# Altium PCB 11BRANMB10H3_20171027.pcbdoc (part 5 of 7)
Units mm, origin at the board's own origin, x right, y up, seen from the top; angles counter-clockwise.
Board outline 91.65 x 48.25 mm, 6 copper layers (TOP, GND1, Singal, POWER, GND2, BOTTOM), stack 0.8 mm thick; 370 components, 289 nets, 1421 pads, 963 vias.
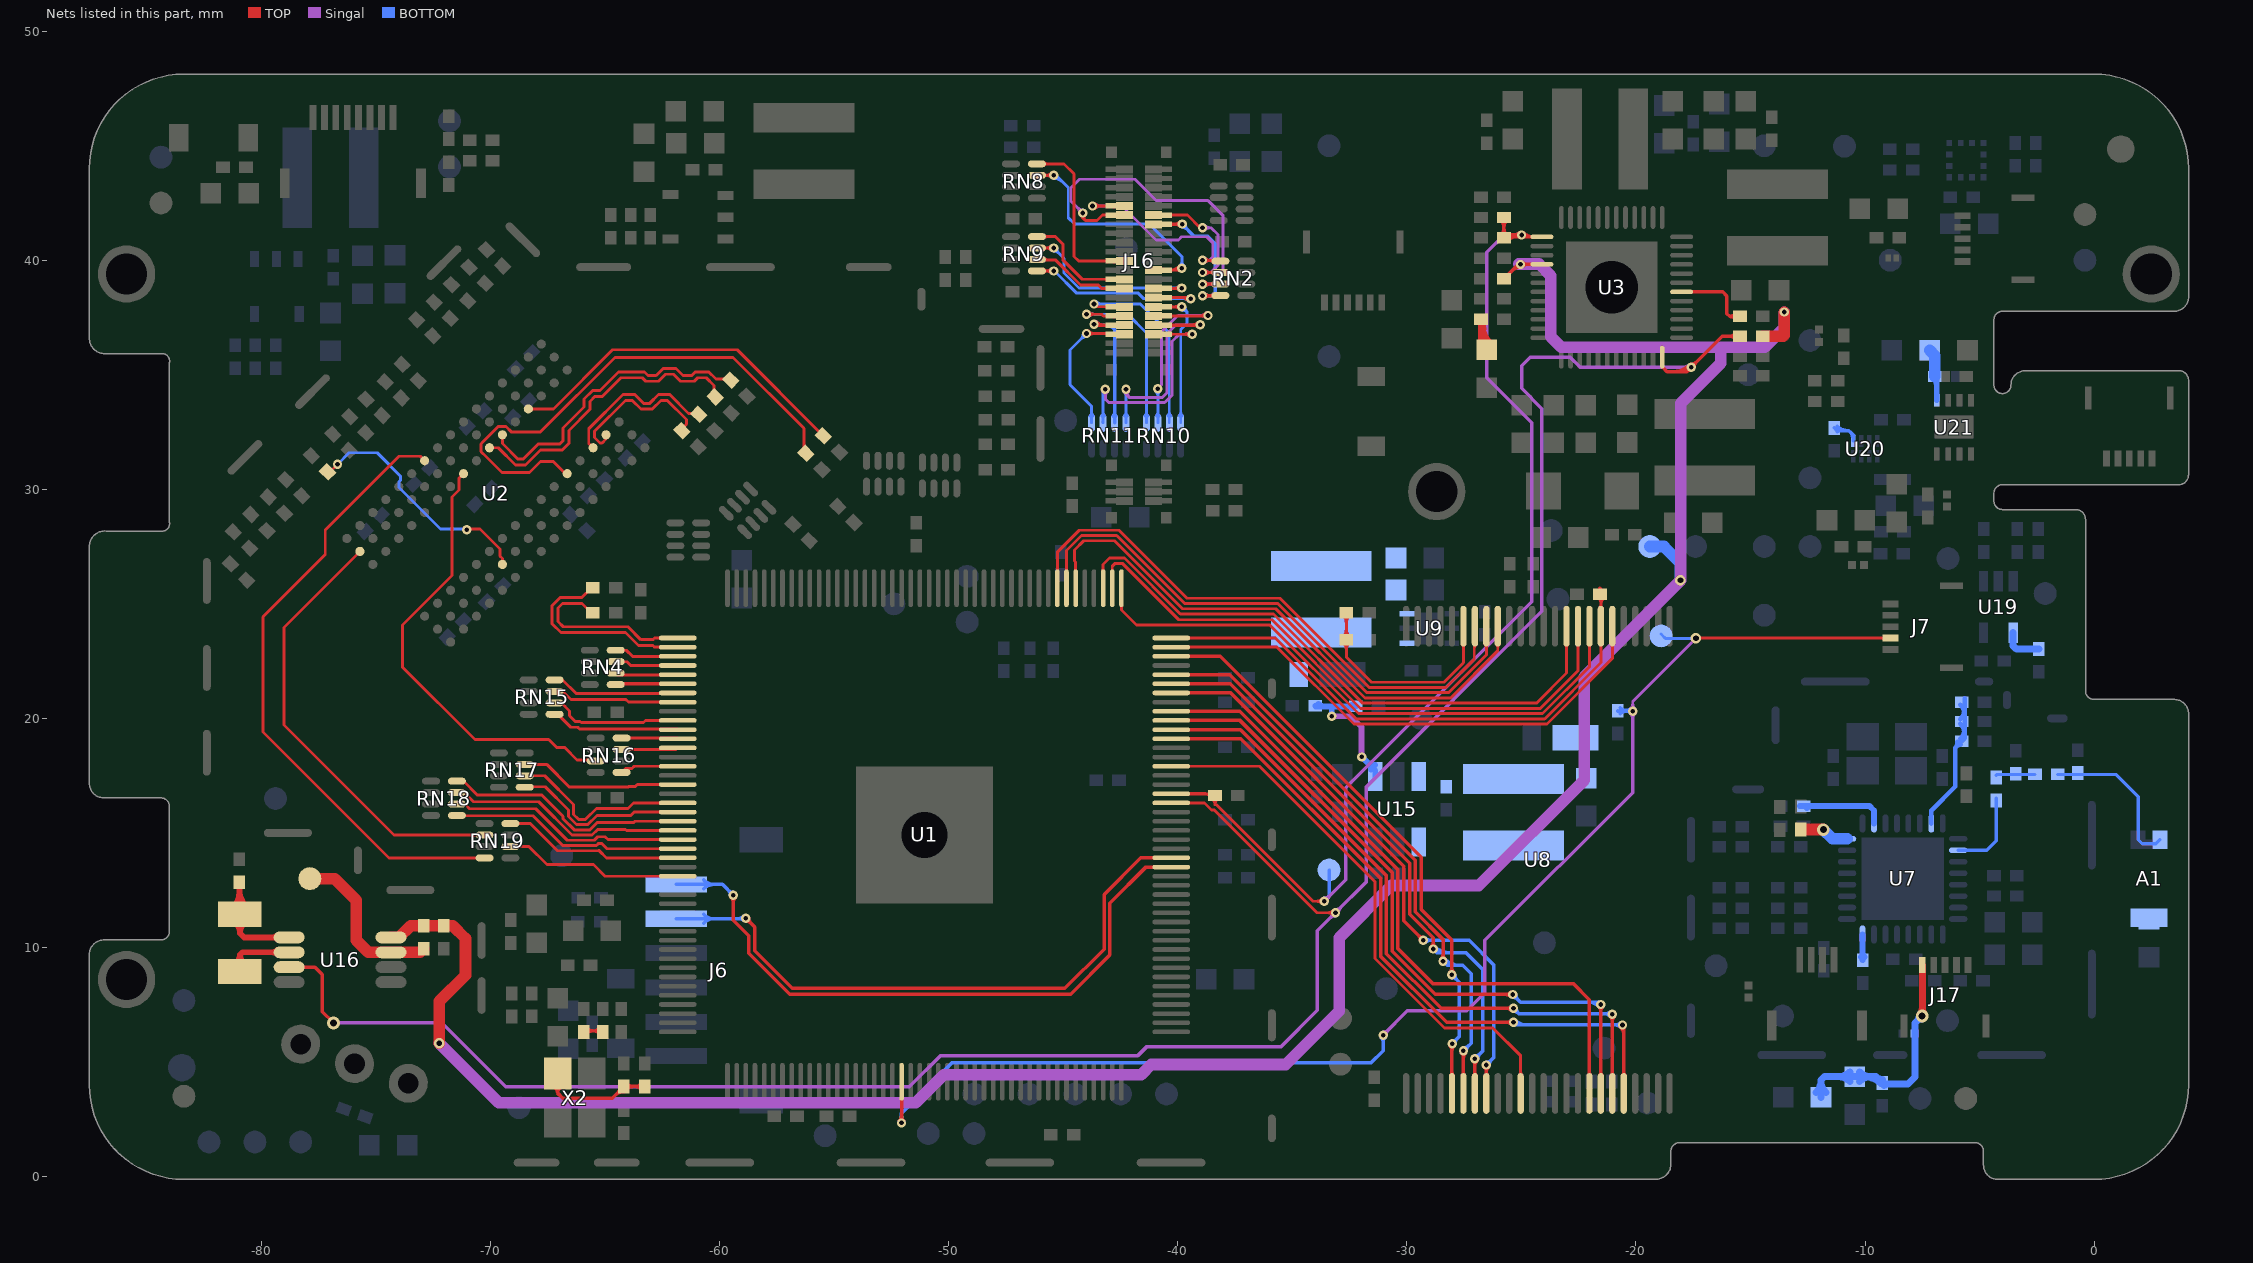
[diagram p9: the nets of this part, all layers, seen from the top]

## Via types
v1: diameter 0.406, hole 0.203, TOP to BOTTOM, tented both sides, 429 vias
v2: diameter 0.457, hole 0.254, TOP to BOTTOM, tented both sides, 256 vias
v3: diameter 0.559, hole 0.305, TOP to BOTTOM, tented both sides, 186 vias
v4: diameter 0.762, hole 0.457, TOP to BOTTOM, tented both sides, 69 vias
v5: diameter 0.61, hole 0.33, TOP to BOTTOM, tented both sides, 11 vias
v6: diameter 0.5, hole 0.2, TOP to BOTTOM, 9 vias
v7: diameter 0.559, hole 0.051, TOP to BOTTOM, tented both sides, 2 vias
v8: diameter 0.508, hole 0.254, TOP to BOTTOM, tented both sides, 1 vias

## Nets (pads, with @x,y where several pads share a name; then routed paths per layer and width w, separated by ;. In a path a pad name is that pad's centre, name@x,y a point inside that pad or via, vN(x,y) a via of type N, cw(c..) or ccw(c..) an arc to the next point about the centre after c; other vN are vias at no path point) (continued)
N16977238: J16.23 RN8.7 | length 13.6
  TOP w0.127: RN8.7@-46.157,43.709 v1(-45.423,43.709) v1@-45.321,43.709 ; RN8.7@-45.853,43.646 cw(c-45.701,43.495) -45.701,43.709 cw(c-45.701,43.924) RN8.7@-45.853,43.772 ; v1@-45.522,43.611 ccw(c-45.76,43.372) -45.76,43.709 ccw(c-45.76,44.047) v1@-45.522,43.808 ; J16.23@-41.065,39.57 J16.23@-40.475,39.57 -39.905,39.57 v1(-39.826,39.649) ; J16.23@-40.62,39.53 ccw(c-40.716,39.434) -40.716,39.57 ccw(c-40.716,39.706) J16.23@-40.62,39.61 ; J16.23@-40.354,39.57 ccw(c-40.354,40.178) v1@-39.925,39.748 ; J16.23@-40.33,39.53 cw(c-40.234,39.434) -40.234,39.57 cw(c-40.234,39.706) J16.23@-40.33,39.61 ; -40.048,39.57 ccw(c-40.048,39.871) v1@-39.835,39.658
  BOTTOM w0.127: v1@-45.423,43.57 cw(c-45.423,42.987) -45.011,43.399 ; v1@-45.423,43.697 cw(c-45.423,43.421) -45.228,43.616 ; v1@-45.321,43.709 -44.788,43.176 -44.788,41.859 -44.515,41.586 -41.255,41.586 -39.826,40.157 v1(-39.826,39.649) ; v1@-39.925,39.748 ccw(c-40.163,39.986) -39.826,39.986 ccw(c-39.489,39.986) v1@-39.727,39.748
N16977239: J16.22 RN8.8 | length 8.5
  TOP w0.127: RN8.8@-46.157,44.209 -44.97,44.209 -44.534,43.773 -44.534,40.171 -44.333,39.97 J16.22@-42.925,39.97 J16.22@-42.335,39.97 ; RN8.8@-45.853,44.147 cw(c-45.701,43.995) -45.701,44.209 cw(c-45.701,44.424) RN8.8@-45.853,44.272 ; J16.22@-43.07,39.93 ccw(c-43.166,39.834) -43.166,39.97 ccw(c-43.166,40.106) J16.22@-43.07,40.01 ; J16.22@-42.78,39.93 cw(c-42.684,39.834) -42.684,39.97 cw(c-42.684,40.106) J16.22@-42.78,40.01
N16977240: J16.29 RN9.5 | length 11.2
  TOP w0.127: RN9.5@-46.157,39.534 v1(-45.423,39.534) v1@-45.388,39.534 ; RN9.5@-45.853,39.471 cw(c-45.701,39.32) -45.701,39.534 cw(c-45.701,39.749) RN9.5@-45.853,39.597 ; v1@-45.522,39.436 ccw(c-45.76,39.197) -45.76,39.534 ccw(c-45.76,39.872) v1@-45.522,39.633 ; J16.29@-41.065,38.37 J16.29@-40.475,38.37 v1@-39.48,38.37 ; J16.29@-40.62,38.33 ccw(c-40.716,38.234) -40.716,38.37 ccw(c-40.716,38.506) J16.29@-40.62,38.41 ; J16.29@-40.33,38.33 cw(c-40.234,38.234) -40.234,38.37 cw(c-40.234,38.506) J16.29@-40.33,38.41 ; -39.885,38.37 cw(c-39.885,37.869) v1@-39.531,38.223 ; -39.654,38.37 ccw(c-39.654,38.543) v1@-39.531,38.421
  BOTTOM w0.127: v1@-45.382,39.534 -45.388,39.534 -44.417,38.563 -41.731,38.563 -41.49,38.322 -40.029,38.322 -40.017,38.335 -39.445,38.335 v1(-39.432,38.322) ; -39.8,38.335 cw(c-39.8,37.954) v1@-39.531,38.223 ; -39.739,38.335 ccw(c-39.739,38.629) v1@-39.531,38.421
N16977241: J16.28 RN9.6 | length 5.1
  TOP w0.127: RN9.6@-46.157,40.034 -46.141,40.019 -45.351,40.019 -44.252,38.919 -43.476,38.919 -43.327,38.77 J16.28@-42.925,38.77 J16.28@-42.335,38.77 ; RN9.6@-45.853,39.972 cw(c-45.74,39.858) -45.74,40.019 ; RN9.6@-45.853,40.097 ccw(c-45.663,40.288) -45.663,40.019 ; J16.28@-43.07,38.73 ccw(c-43.166,38.634) -43.166,38.77 ccw(c-43.166,38.906) J16.28@-43.07,38.81 ; J16.28@-42.78,38.73 cw(c-42.684,38.634) -42.684,38.77 cw(c-42.684,38.906) J16.28@-42.78,38.81
N16977242: J16.27 RN9.7 | length 11.6
  TOP w0.127: RN9.7@-46.157,40.534 -45.423,40.534 v1@-45.38,40.534 ; RN9.7@-45.853,40.471 cw(c-45.701,40.32) -45.701,40.534 cw(c-45.701,40.749) RN9.7@-45.853,40.597 ; RN9.7@-45.77,40.534 ccw(c-45.77,40.885) v1@-45.522,40.637 ; -45.75,40.534 cw(c-45.75,40.211) v1@-45.522,40.44 ; J16.27@-41.065,38.77 J16.27@-40.475,38.77 v1@-39.841,38.77 ; J16.27@-40.62,38.73 ccw(c-40.716,38.634) -40.716,38.77 ccw(c-40.716,38.906) J16.27@-40.62,38.81 ; J16.27@-40.33,38.73 cw(c-40.234,38.634) -40.234,38.77 cw(c-40.234,38.906) J16.27@-40.33,38.81 ; -40.201,38.77 ccw(c-40.201,39.161) v1@-39.925,38.884 ; -40.125,38.77 cw(c-40.125,38.486) v1@-39.925,38.687
  BOTTOM w0.127: v1@-45.423,40.399 cw(c-45.423,40.061) -45.184,40.3 cw(c-44.946,40.538) v1@-45.283,40.538 ; v1(-45.423,40.538) -44.97,40.085 -44.97,39.445 -44.316,38.792 -39.832,38.792 v1(-39.826,38.786) ; -40.178,38.792 cw(c-40.178,38.433) v1@-39.925,38.687 ; -40.148,38.792 ccw(c-40.148,39.108) v1@-39.925,38.884
N16977243: J16.26 RN9.8 | length 5.8
  TOP w0.127: RN9.8@-46.157,41.034 -45.351,41.034 -45.008,40.691 -45.008,39.998 -44.18,39.17 J16.26@-42.925,39.17 J16.26@-42.335,39.17 ; RN9.8@-45.853,40.972 cw(c-45.701,40.82) -45.701,41.034 cw(c-45.701,41.249) RN9.8@-45.853,41.097 ; J16.26@-43.07,39.13 ccw(c-43.166,39.034) -43.166,39.17 ccw(c-43.166,39.306) J16.26@-43.07,39.21 ; J16.26@-42.78,39.13 cw(c-42.684,39.034) -42.684,39.17 cw(c-42.684,39.306) J16.26@-42.78,39.21
N16977551: J16.34 RN10.5 | length 10.4
  TOP w0.127: v1(-43.991,37.643) -43.327,37.643 -43.255,37.57 J16.34@-42.925,37.57 J16.34@-42.335,37.57 ; v1@-43.893,37.544 cw(c-43.654,37.305) -43.654,37.643 cw(c-43.654,37.98) v1@-43.893,37.741 ; J16.34@-43.07,37.53 ccw(c-43.166,37.434) -43.166,37.57 ccw(c-43.166,37.706) J16.34@-43.07,37.61 ; J16.34@-42.78,37.53 cw(c-42.684,37.434) -42.684,37.57 cw(c-42.684,37.706) J16.34@-42.78,37.61
  BOTTOM w0.127: v1(-43.991,37.643) -42.189,37.643 -41.376,36.83 RN10.5@-41.376,32.904 ; v1@-43.893,37.544 cw(c-43.654,37.305) -43.654,37.643 cw(c-43.654,37.98) v1@-43.893,37.741 ; RN10.5@-41.439,33.208 ccw(c-41.591,33.36) -41.376,33.36 ccw(c-41.161,33.36) RN10.5@-41.313,33.208
N16977552: J16.33 RN10.6 | length 11.1
  TOP w0.127: J16.33@-41.065,37.57 J16.33@-40.475,37.57 v1@-38.705,37.57 ; J16.33@-40.62,37.53 ccw(c-40.716,37.434) -40.716,37.57 ccw(c-40.716,37.706) J16.33@-40.62,37.61 ; J16.33@-40.33,37.53 cw(c-40.234,37.434) -40.234,37.57 cw(c-40.234,37.706) J16.33@-40.33,37.61 ; -39.073,37.57 ccw(c-39.073,37.982) v1@-38.782,37.691 ; -38.967,37.57 cw(c-38.967,37.307) v1@-38.782,37.493
  Singal w0.127: v1(-40.88,34.385) -40.715,34.55 -40.715,36.881 -40.004,37.592 v1(-38.683,37.592) ; v1@-38.782,37.493 ccw(c-39.02,37.255) -39.02,37.592 ccw(c-39.02,37.929) v1@-38.782,37.691
  BOTTOM w0.127: v1@-40.979,34.286 cw(c-41.227,34.038) -40.876,34.038 ; RN10.6@-40.939,33.208 ccw(c-41.091,33.36) -40.876,33.36 ccw(c-40.661,33.36) RN10.6@-40.813,33.208 ; v1(-40.88,34.385) -40.876,34.381 RN10.6@-40.876,32.904 ; -40.876,34.058 cw(c-40.553,34.058) v1@-40.781,34.286
N16977553: J16.32 RN10.7 | length 10.4
  TOP w0.127: v1(-43.661,38.093) -43.538,37.97 J16.32@-42.925,37.97 J16.32@-42.335,37.97 ; J16.32@-43.07,37.93 ccw(c-43.166,37.834) -43.166,37.97 ccw(c-43.166,38.106) J16.32@-43.07,38.01 ; J16.32@-42.78,37.93 cw(c-42.684,37.834) -42.684,37.97 cw(c-42.684,38.106) J16.32@-42.78,38.01
  BOTTOM w0.127: v1(-43.661,38.093) -41.642,38.093 -40.376,36.827 RN10.7@-40.376,32.904 ; v1@-43.562,37.995 cw(c-43.324,37.756) -43.324,38.093 cw(c-43.324,38.431) v1@-43.562,38.192 ; RN10.7@-40.439,33.208 ccw(c-40.591,33.36) -40.376,33.36 ccw(c-40.161,33.36) RN10.7@-40.313,33.208
N16977554: J16.31 RN10.8 | length 9.6
  TOP w0.127: J16.31@-41.065,37.97 -41.061,37.966 -40.475,37.966 v1@-39.864,37.966 ; J16.31@-40.725,37.966 ccw(c-40.725,38.115) J16.31@-40.62,38.01 ; J16.31@-40.708,37.966 cw(c-40.708,37.842) J16.31@-40.62,37.93 ; J16.31@-40.475,37.97 v1@-39.868,37.97 ; -40.242,37.966 ccw(c-40.242,37.842) -40.33,37.93 cw(c-40.234,37.834) -40.234,37.97 cw(c-40.234,38.106) -40.33,38.01 ccw(c-40.225,38.115) -40.225,37.966 ; -40.172,37.97 cw(c-40.172,37.62) -39.925,37.868 ccw(c-40.163,37.629) -40.163,37.966 ccw(c-40.163,38.304) -39.925,38.065 cw(c-40.154,38.295) -40.154,37.97
  BOTTOM w0.127: RN10.8@-39.939,33.208 ccw(c-40.091,33.36) -39.876,33.36 ccw(c-39.661,33.36) RN10.8@-39.813,33.208 ; RN10.8@-39.876,32.904 -39.876,36.983 -39.597,37.262 -39.597,37.738 ; v1(-39.826,37.966) -39.597,37.738 ; v1@-39.822,37.827 cw(c-39.812,37.523) -39.597,37.738 ; v1@-39.686,37.962 ccw(c-39.382,37.953) -39.597,37.738
N16977555: J16.38 RN11.5 | length 8.9
  TOP w0.127: v1(-43.991,36.804) -42.925,36.804 -42.369,36.804 J16.38@-42.335,36.77 J16.38@-42.925,36.77 ; v1@-43.893,36.706 cw(c-43.654,36.467) -43.654,36.804 cw(c-43.654,37.142) v1@-43.893,36.903 ; -43.249,36.804 cw(c-43.249,36.551) J16.38@-43.07,36.73 ; J16.38@-42.78,36.81 ccw(c-42.684,36.906) -42.684,36.77 ccw(c-42.684,36.634) -42.78,36.73 cw(c-42.601,36.551) J16.38@-42.601,36.804
  BOTTOM w0.127: v1@-44.131,36.804 cw(c-44.468,36.804) -44.23,36.566 cw(c-43.991,36.327) v1@-43.991,36.665 ; v1(-43.991,36.804) -44.716,36.08 -44.716,34.569 -43.764,33.617 RN11.5@-43.764,32.904 ; RN11.5@-43.827,33.208 ccw(c-43.978,33.36) -43.764,33.36 ccw(c-43.549,33.36) RN11.5@-43.701,33.208
N16977556: J16.37 RN11.6 | length 13.3
  TOP w0.127: J16.37@-41.065,36.77 J16.37@-40.475,36.77 v1(-39.379,36.77) ; J16.37@-40.62,36.73 ccw(c-40.716,36.634) -40.716,36.77 ccw(c-40.716,36.906) J16.37@-40.62,36.81 ; J16.37@-40.33,36.73 cw(c-40.234,36.634) -40.234,36.77 cw(c-40.234,36.906) J16.37@-40.33,36.81 ; v1@-39.478,36.671 ccw(c-39.716,36.433) -39.716,36.77 ccw(c-39.716,37.107) v1@-39.478,36.869
  Singal w0.127: v1@-43.265,34.273 cw(c-43.504,34.034) -43.166,34.034 cw(c-42.829,34.034) v1@-43.068,34.273 ; v1(-43.166,34.372) -43.166,33.934 -43.02,33.788 -40.576,33.788 -40.258,34.107 -40.258,36.455 -39.943,36.77 v1(-39.379,36.77) ; v1@-39.478,36.671 ccw(c-39.716,36.433) -39.716,36.77 ccw(c-39.716,37.107) v1@-39.478,36.869
  BOTTOM w0.127: RN11.6@-43.326,33.208 ccw(c-43.478,33.36) -43.264,33.36 ccw(c-43.049,33.36) RN11.6@-43.201,33.208 ; RN11.6@-43.293,32.934 RN11.6@-43.264,32.904 -43.264,34.274 v1(-43.166,34.372) ; -43.264,33.8 cw(c-42.595,33.8) v1@-43.068,34.273 ; -43.264,34.106 cw(c-42.901,34.106) v1@-43.157,34.363
N16977557: J16.36 RN11.7 | length 7.3
  TOP w0.152: v1@-43.573,37.16 -43.563,37.17 J16.36@-42.925,37.17 J16.36@-42.335,37.17 ; v1@-43.571,37.121 cw(c-43.453,37.003) -43.453,37.17 ; v1@-43.571,37.301 ccw(c-43.256,37.616) -43.256,37.17
  BOTTOM w0.152: v1@-43.573,37.16 -42.963,37.16 -42.764,36.961 RN11.7@-42.764,32.904 ; v1@-43.571,37.301 ccw(c-43.232,37.64) -43.232,37.16 ; RN11.7@-42.818,33.199 ccw(c-42.948,33.329) -42.764,33.329 ccw(c-42.58,33.329) RN11.7@-42.71,33.199
  other v1: -43.661,37.211
N16977558: J16.35 RN11.8 | length 12.5
  TOP w0.152: J16.35@-41.065,37.17 J16.35@-40.475,37.17 -39.035,37.17 v1(-39.026,37.179) ; -39.354,37.17 ccw(c-39.354,37.507) v1@-39.116,37.269 ; -39.311,37.17 cw(c-39.311,36.894) v1@-39.116,37.089
  Singal w0.127: v1@-42.324,34.246 cw(c-42.371,34.149) -42.264,34.149 ; v1(-42.264,34.372) -42.264,34.149 ; v1@-42.253,34.364 ccw(c-42.103,34.253) -42.235,34.121 ; v1@-42.203,34.246 ccw(c-42.156,34.149) -42.264,34.149 ; v1@-42.151,34.288 ccw(c-41.984,34.164) -42.131,34.017 ; v1@-39.125,37.08 ccw(c-39.363,36.842) -39.363,37.179 ccw(c-39.363,37.516) v1@-39.125,37.278 ; v1(-39.026,37.179) -40.093,37.179 -40.486,36.785 -40.486,34.202 -40.671,34.017 -42.131,34.017 ; -42.264,34.149 -42.131,34.017
  BOTTOM w0.127: v1@-42.362,34.273 cw(c-42.601,34.034) -42.264,34.034 cw(c-41.926,34.034) v1@-42.165,34.273 ; RN11.8@-42.326,33.208 ccw(c-42.478,33.36) -42.264,33.36 ccw(c-42.049,33.36) RN11.8@-42.201,33.208 ; RN11.8@-42.264,32.904 v1(-42.264,34.372)
N16978242: J16.10 RN2.5 | length 12.1
  TOP w0.127: v1(-43.725,42.367) -43.731,42.367 -43.734,42.37 -43.725,42.37 J16.10@-42.925,42.37 J16.10@-42.335,42.37 ; v1@-43.626,42.268 cw(c-43.381,42.023) -43.381,42.37 ; v1@-43.626,42.466 ccw(c-43.395,42.698) -43.395,42.37 ; J16.10@-43.07,42.33 ccw(c-43.166,42.234) -43.166,42.37 ccw(c-43.166,42.506) J16.10@-43.07,42.41 ; J16.10@-42.78,42.33 cw(c-42.684,42.234) -42.684,42.37 cw(c-42.684,42.506) J16.10@-42.78,42.41 ; v1(-38.924,39.998) -38.18,39.998 RN2.5@-38.143,39.961 ; v1@-38.825,39.9 cw(c-38.587,39.661) -38.587,39.998 cw(c-38.587,40.336) v1@-38.825,40.097 ; -38.689,39.998 cw(c-38.689,39.656) RN2.5@-38.447,39.898
  Singal w0.127: v1(-43.725,42.367) -43.731,42.367 -43.734,42.37 -43.725,42.37 -42.439,42.37 -40.956,40.887 -39.978,40.887 -39.839,41.027 -38.74,41.027 -38.48,40.767 -38.48,40.138 -38.619,39.998 ; v1@-43.626,42.268 cw(c-43.381,42.023) -43.381,42.37 ; v1@-43.626,42.466 ccw(c-43.395,42.698) -43.395,42.37 ; v1(-38.924,39.998) -38.619,39.998 ; v1@-38.818,39.907 cw(c-38.619,39.736) -38.619,39.998 ; v1@-38.818,40.09 ccw(c-38.619,40.261) -38.619,39.998
N16978245: J16.11 RN2.6 | length 8.4
  TOP w0.127: J16.11@-41.065,41.97 J16.11@-40.475,41.97 -39.581,41.97 -39.032,41.421 v1(-38.924,41.421) ; J16.11@-40.62,41.93 ccw(c-40.716,41.834) -40.716,41.97 ccw(c-40.716,42.106) J16.11@-40.62,42.01 ; J16.11@-40.33,41.93 cw(c-40.234,41.834) -40.234,41.97 cw(c-40.234,42.106) J16.11@-40.33,42.01 ; v1(-38.924,39.465) -38.147,39.465 RN2.6@-38.143,39.461 ; v1@-38.825,39.366 cw(c-38.587,39.128) -38.587,39.465 cw(c-38.587,39.802) v1@-38.825,39.564 ; -38.609,39.465 cw(c-38.609,39.237) RN2.6@-38.447,39.398 ; -38.589,39.465 ccw(c-38.589,39.666) RN2.6@-38.447,39.524
  Singal w0.127: v1(-38.924,39.465) -38.569,39.465 -38.251,39.783 -38.251,41.122 -38.55,41.421 v1(-38.924,41.421) ; v1@-38.825,39.366 cw(c-38.587,39.128) -38.587,39.465 cw(c-38.587,39.802) v1@-38.825,39.564 ; v1@-38.825,41.322 cw(c-38.587,41.084) -38.587,41.421 cw(c-38.587,41.758) v1@-38.825,41.52
N16978418: J16.12 RN2.7 | length 18.5
  TOP w0.127: v1@-44.212,41.936 cw(c-44.256,41.843) -44.153,41.843 ; v1(-44.153,42.062) -44.153,41.843 ; v1@-44.143,42.054 ccw(c-44.02,41.944) -44.137,41.827 ; v1@-44.094,41.936 ccw(c-44.05,41.843) -44.153,41.843 ; v1@-44.049,41.969 ccw(c-43.92,41.854) -44.042,41.732 ; J16.12@-43.07,41.93 ccw(c-43.166,41.834) -43.166,41.97 ccw(c-43.166,42.106) J16.12@-43.07,42.01 ; J16.12@-42.78,41.93 cw(c-42.684,41.834) -42.684,41.97 cw(c-42.684,42.106) J16.12@-42.78,42.01 ; J16.12@-42.335,41.97 J16.12@-42.925,41.97 -43.296,41.97 -43.534,41.732 -44.042,41.732 ; v1(-38.924,38.957) -38.147,38.957 RN2.7@-38.143,38.961 ; v1@-38.825,38.858 cw(c-38.587,38.62) -38.587,38.957 cw(c-38.587,39.294) v1@-38.825,39.056 ; -38.609,38.957 ccw(c-38.609,39.185) RN2.7@-38.447,39.024 ; -38.589,38.957 cw(c-38.589,38.756) RN2.7@-38.447,38.898 ; -44.153,41.843 -44.042,41.732
  Singal w0.127: v1@-44.292,42.062 ccw(c-44.63,42.062) -44.391,42.301 ccw(c-44.153,42.539) v1@-44.153,42.202 ; v1(-44.153,42.062) -44.677,42.587 -44.677,43.154 -44.293,43.538 -41.868,43.538 -40.931,42.602 -38.677,42.602 -38.022,41.948 -38.022,39.402 -38.467,38.957 v1(-38.924,38.957) ; v1@-38.825,38.858 cw(c-38.587,38.62) -38.587,38.957 cw(c-38.587,39.294) v1@-38.825,39.056
N16978424: J16.13 RN2.8 | length 8.8
  TOP w0.152: J16.13@-41.065,41.57 J16.13@-40.475,41.57 -39.823,41.57 v1(-39.814,41.58) ; -40.144,41.57 ccw(c-40.144,41.91) v1@-39.903,41.67 ; -40.097,41.57 cw(c-40.097,41.297) v1@-39.903,41.49 ; v1(-38.924,38.449) -38.155,38.449 RN2.8@-38.143,38.461 ; v1@-38.834,38.359 cw(c-38.618,38.142) -38.618,38.449 cw(c-38.618,38.756) v1@-38.834,38.539 ; -38.597,38.449 ccw(c-38.597,38.674) RN2.8@-38.438,38.515 ; -38.54,38.449 cw(c-38.54,38.306) RN2.8@-38.438,38.407
  BOTTOM w0.152: v1@-39.814,41.453 cw(c-39.814,41.174) -39.617,41.371 ; v1(-39.814,41.58) -39.814,41.568 -39.285,41.04 -38.689,41.04 -38.365,40.716 -38.365,38.601 -38.518,38.449 v1(-38.924,38.449) ; v1@-39.687,41.58 ccw(c-39.352,41.58) -39.589,41.343 ; v1@-38.834,38.359 cw(c-38.618,38.142) -38.618,38.449 cw(c-38.618,38.756) v1@-38.834,38.539
N16998285: C38.2 R9.2 X2.3 | length 7.6
  TOP w0.152: X2.3@-67.265,3.904 cw(c-67.362,3.643) -67.083,3.643 ; X2.3@-67.083,4.495 -67.083,3.643 ; X2.3@-66.901,3.904 ccw(c-66.805,3.643) -67.083,3.643 ; -64.555,3.551 cw(c-64.186,3.183) C38.2@-64.186,3.704 ; -64.453,3.652 ccw(c-64.678,3.877) C38.2@-64.36,3.877 ; C38.2@-64.063,3.805 cw(c-63.767,3.508) -63.767,3.927 cw(c-63.767,4.347) C38.2@-64.063,4.05 ; R9.2@-63.406,3.805 ccw(c-63.703,3.508) -63.703,3.927 ccw(c-63.703,4.347) R9.2@-63.406,4.05 ; R9.2@-63.297,3.927 -64.178,3.927 -64.182,3.923 -64.694,3.411 -66.853,3.411 -67.085,3.643 -67.083,3.643
N17029739: R74.2 U2.C7 | length 6.9
  TOP w0.127: U2.C7@-65.533,31.814 -65.721,32.002 -65.721,32.641 -64.226,34.136 -63.714,34.136 -63.333,33.755 -63.057,33.755 -62.676,34.136 -62.186,34.136 -61.363,33.312 R74.2@-60.96,33.312
N17029768: R75.2 U2.B7 | length 6.9
  TOP w0.127: U2.B7@-64.967,32.379 -64.967,32.197 -65.136,32.027 -65.23,32.027 -65.467,32.264 -65.467,32.535 -64.12,33.882 -63.819,33.882 -63.438,33.501 -62.952,33.501 -62.571,33.882 -62.292,33.882 -61.453,33.043 -61.453,32.845 R75.2@-61.697,32.601
N17030637: R73.2 U2.G3 | length 13.2
  TOP w0.127: U2.G3@-70.058,31.813 -69.671,31.813 -68.92,31.062 -68.485,31.062 -67.825,31.723 -66.88,31.723 -66.591,32.012 -66.591,32.57 -65.67,33.491 -65.67,33.836 -65.447,34.059 -65.127,34.059 -64.314,34.872 -63.388,34.872 -63.235,34.72 -62.673,34.72 -62.368,35.025 -62.016,35.025 -61.711,34.72 -61.119,34.72 -60.967,34.872 -60.59,34.872 -60.249,34.532 R73.2@-60.249,34.074
N17030639: R72.2 U2.F3 | length 13.2
  TOP w0.127: U2.F3@-69.492,32.379 -69.492,31.994 -68.815,31.316 -68.591,31.316 -67.93,31.977 -66.986,31.977 -66.845,32.117 -66.845,32.675 -65.924,33.597 -65.924,33.942 -65.552,34.313 -65.232,34.313 -64.755,34.79 -64.42,35.126 -63.282,35.126 -63.13,34.974 -62.778,34.974 -62.473,35.279 -61.911,35.279 -61.606,34.974 -61.225,34.974 -61.072,35.126 -60.484,35.126 -60.169,34.811 R72.2@-59.563,34.811
N17030675: R77.2 U2.D3 | length 15.4
  TOP w0.127: U2.D3@-68.361,33.511 -67.26,33.511 -64.679,36.091 -59.242,36.091 R77.2@-55.525,32.373
N17030677: R76.2 U2.E7 | length 23.1
  TOP w0.127: U2.E7@-66.664,30.682 -66.738,30.682 -67.27,31.215 -67.829,31.215 -68.311,30.732 -69.505,30.732 -70.206,31.432 -70.427,31.643 -70.427,31.983 -70.394,32.017 -69.677,32.744 -69.341,32.744 -69.106,32.51 -67.829,32.51 -64.578,35.761 -59.421,35.761 -56.322,32.662 -56.322,31.646 R76.2@-56.287,31.611
N17031032: R71.2 U2.L8 | length 10.7
  TOP w0.127: R71.2@-77.085,30.717 v1(-76.693,31.088) ; v1(-71.044,28.236) -71.014,28.266 -70.468,28.266 -69.599,27.396 -69.599,27.079 -69.492,26.973 U2.L8@-69.492,26.722
  BOTTOM w0.127: v1(-76.693,31.088) -76.185,31.596 -74.958,31.596 -73.949,30.586 -73.949,30.382 -74.003,30.328 -74.003,30.08 -72.189,28.266 -71.074,28.266 v1(-71.044,28.236)
N17176459: R151.2 U3.6 | length 4
  TOP w0.152: U3.6@-18.007,38.619 -17.12,38.619 ; -17.111,38.619 -16.214,38.619 -16.033,38.438 -16.033,37.669 -15.913,37.549 ; R151.2@-15.638,37.43 ccw(c-15.913,37.17) -15.913,37.549 ; R151.2@-15.638,37.668 cw(c-15.913,37.928) -15.913,37.549 ; R151.2@-15.461,37.549 -15.913,37.549
N17436294: R156.1 U7.2 | length 3.7
  BOTTOM w0.145: U7.2@-5.932,14.237 -4.685,14.237 -4.266,14.657 R156.1@-4.266,16.416 R156.1@-4.266,16.518
N17436340: C213.1 C215.1 R156.2 | length 1.7
  BOTTOM w0.145: R156.2@-4.266,17.518 -4.232,17.551 -3.428,17.551 C213.1@-2.581,17.551
N17436479: A1.1 C213.2 C216.1 | length 6.9
  BOTTOM w0.145: C213.2@-1.581,17.551 -0.71,17.551 0.954,17.551 1.925,16.58 1.925,14.7 2.096,14.529 2.704,14.529 A1.1@2.875,14.7
N17436778: A1.2 R160.1
N17439379: R204.1 U7.26 | length 4.2
  BOTTOM w0.254: R204.1@-12.847,16.18 -12.68,16.18 -9.812,16.18 -9.607,15.975 U7.26@-9.607,15.412 ; R204.1@-12.543,16.072 cw(c-12.282,15.811) -12.282,16.18